# Altium PCB Condor2a.PcbDoc (part 1 of 2)
Units mm, origin at the board's own origin, x right, y up, seen from the top; angles counter-clockwise.
Board outline 206.68 x 159.72 mm, 4 copper layers (Top Layer, Signal Layer 2, Signal Layer 1, Bottom Layer), stack 1.643 mm thick; 82 components, 117 nets, 485 pads, 183 vias.
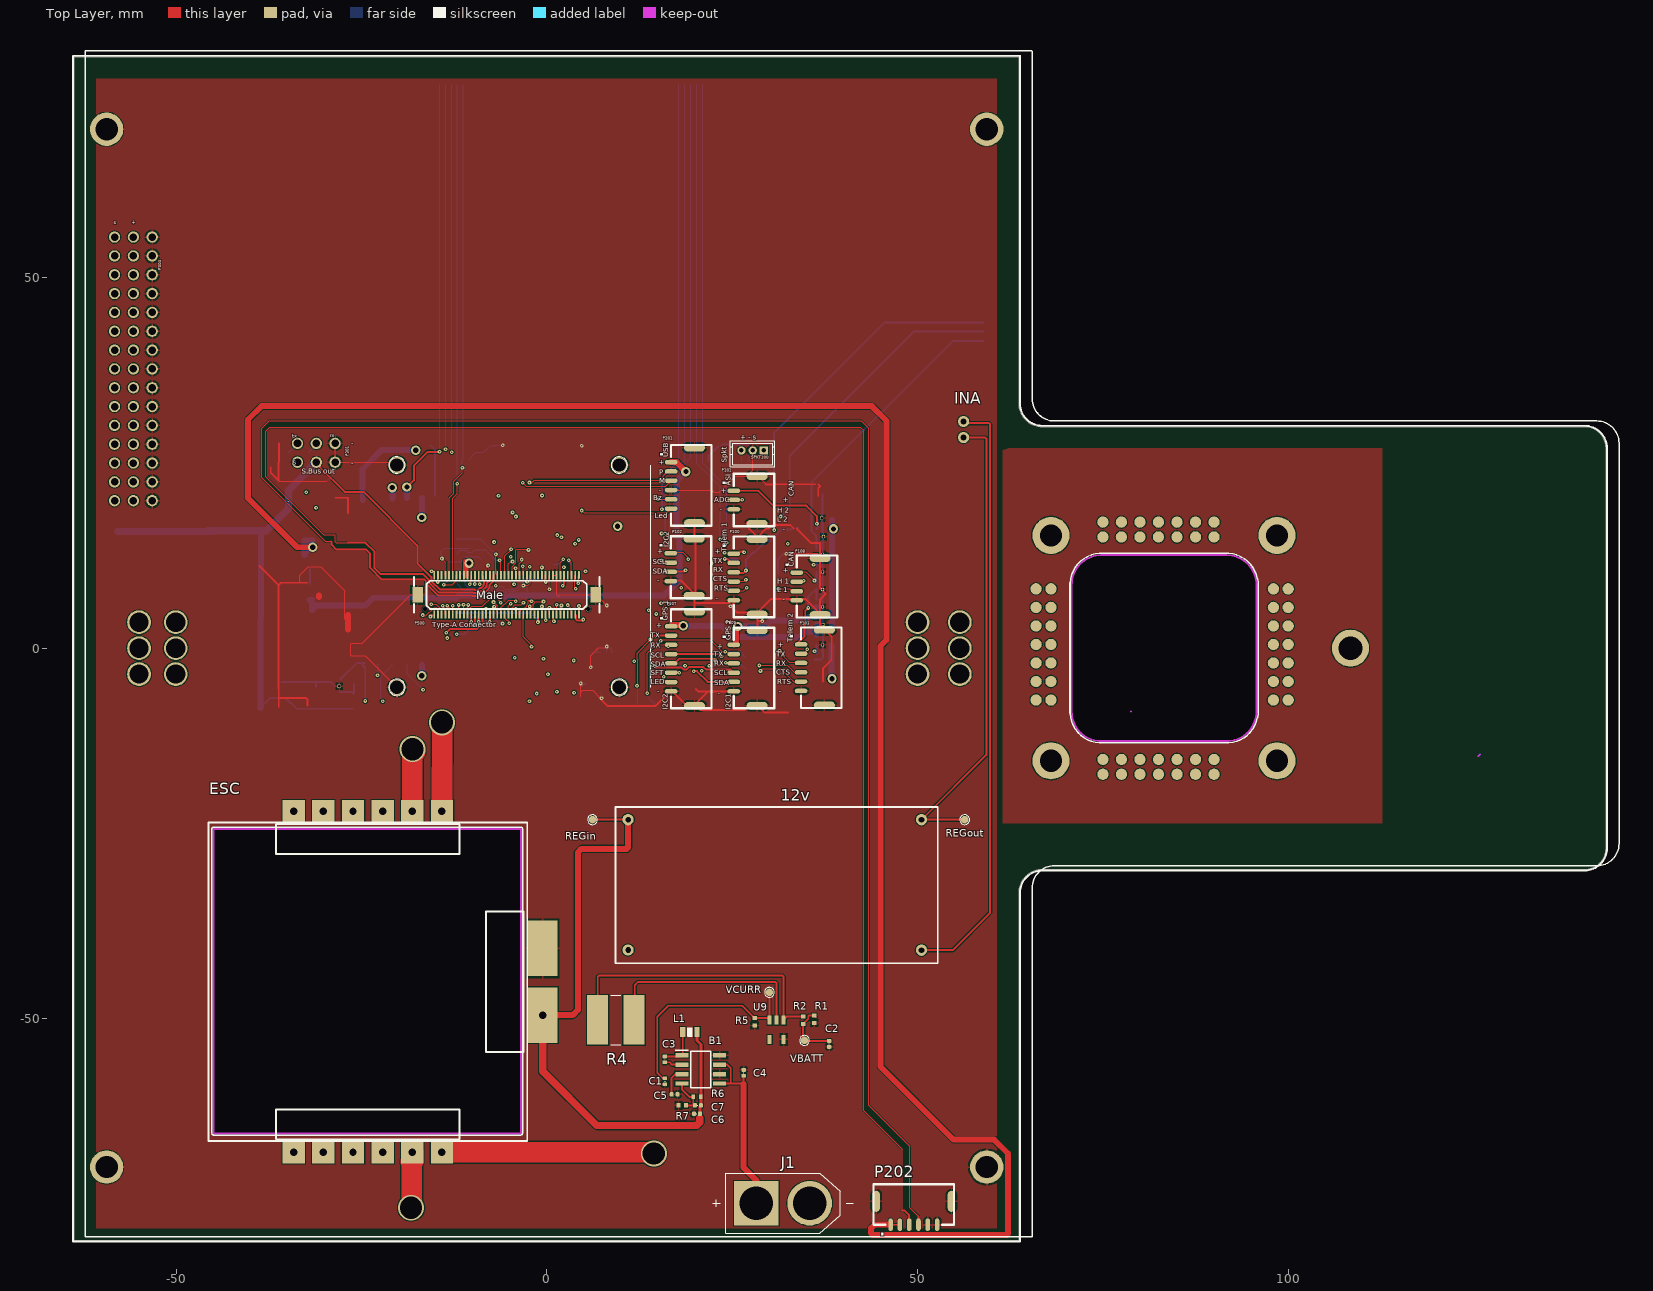
[diagram p0: Top Layer view]
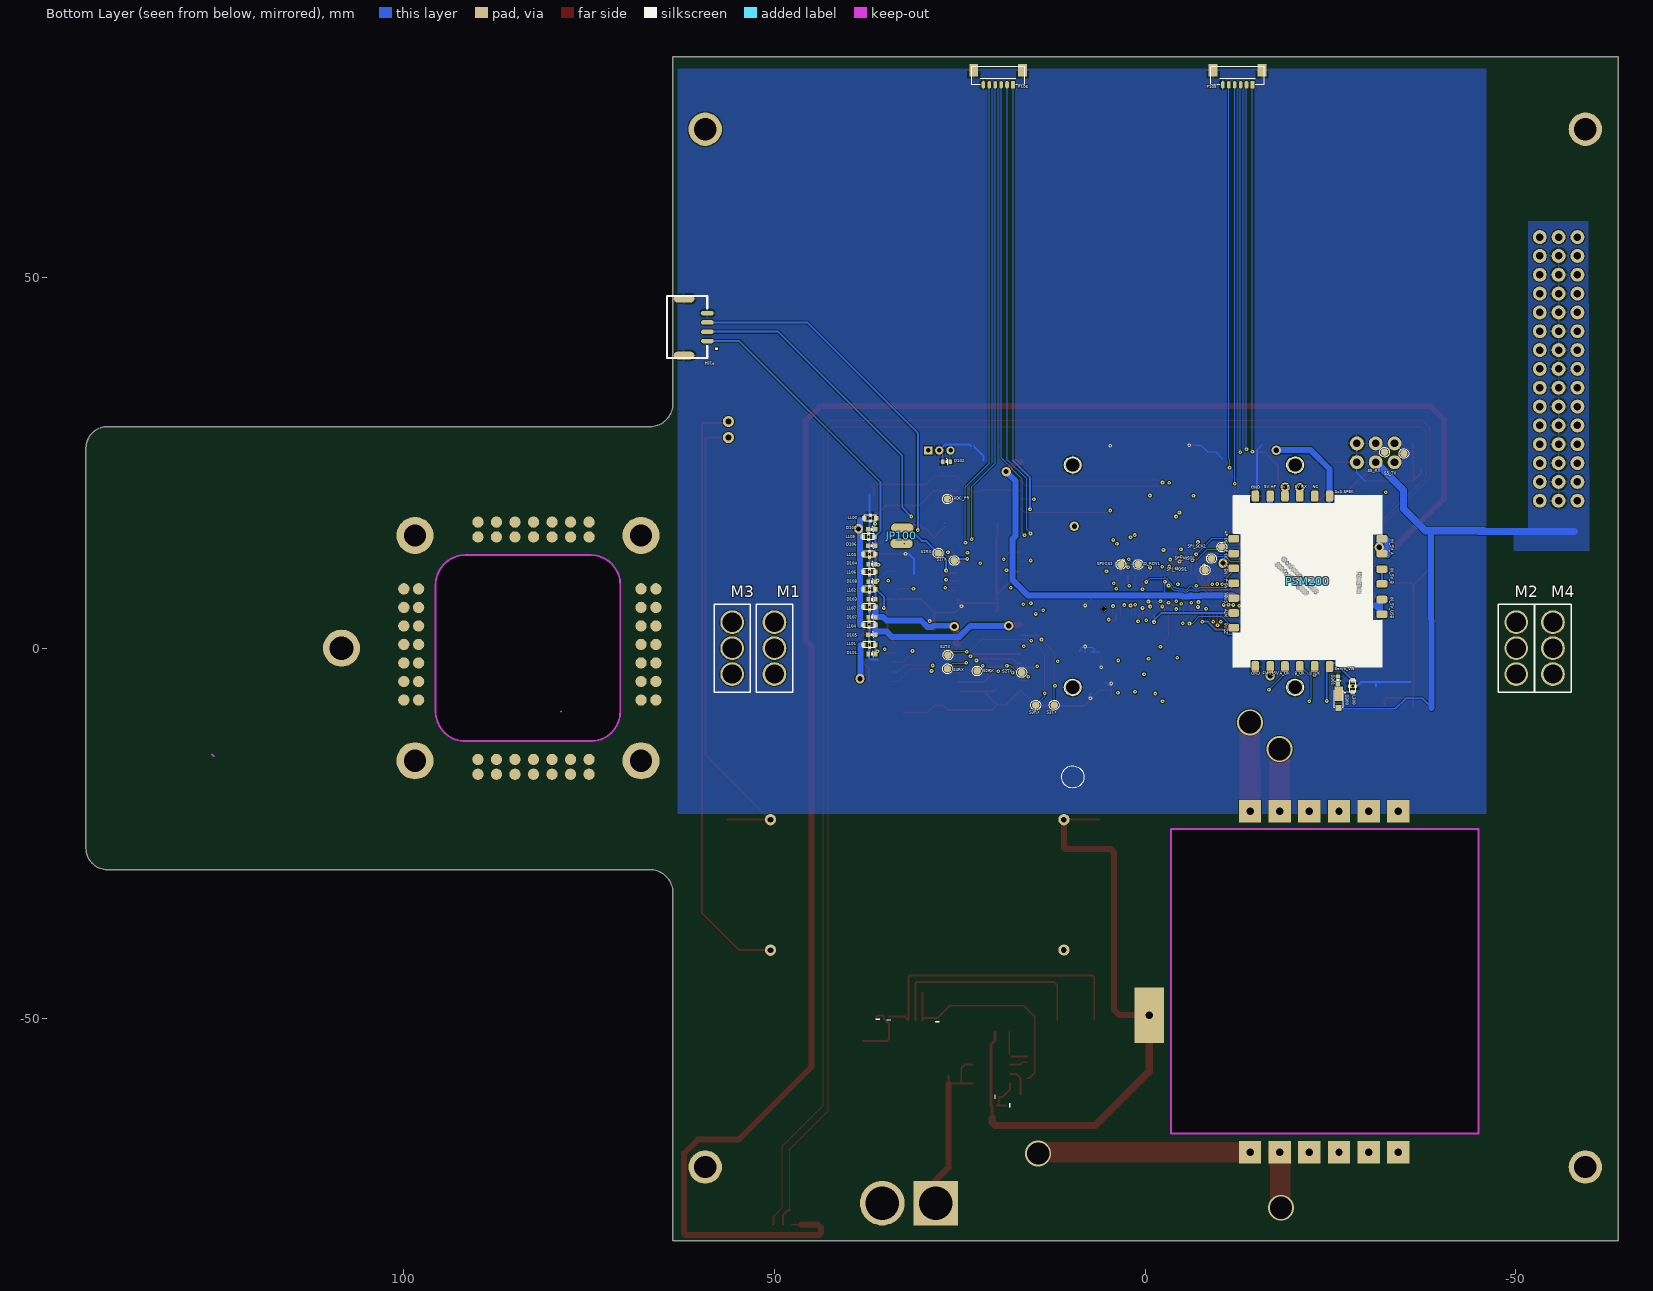
[diagram p1: Bottom Layer view, seen from below]
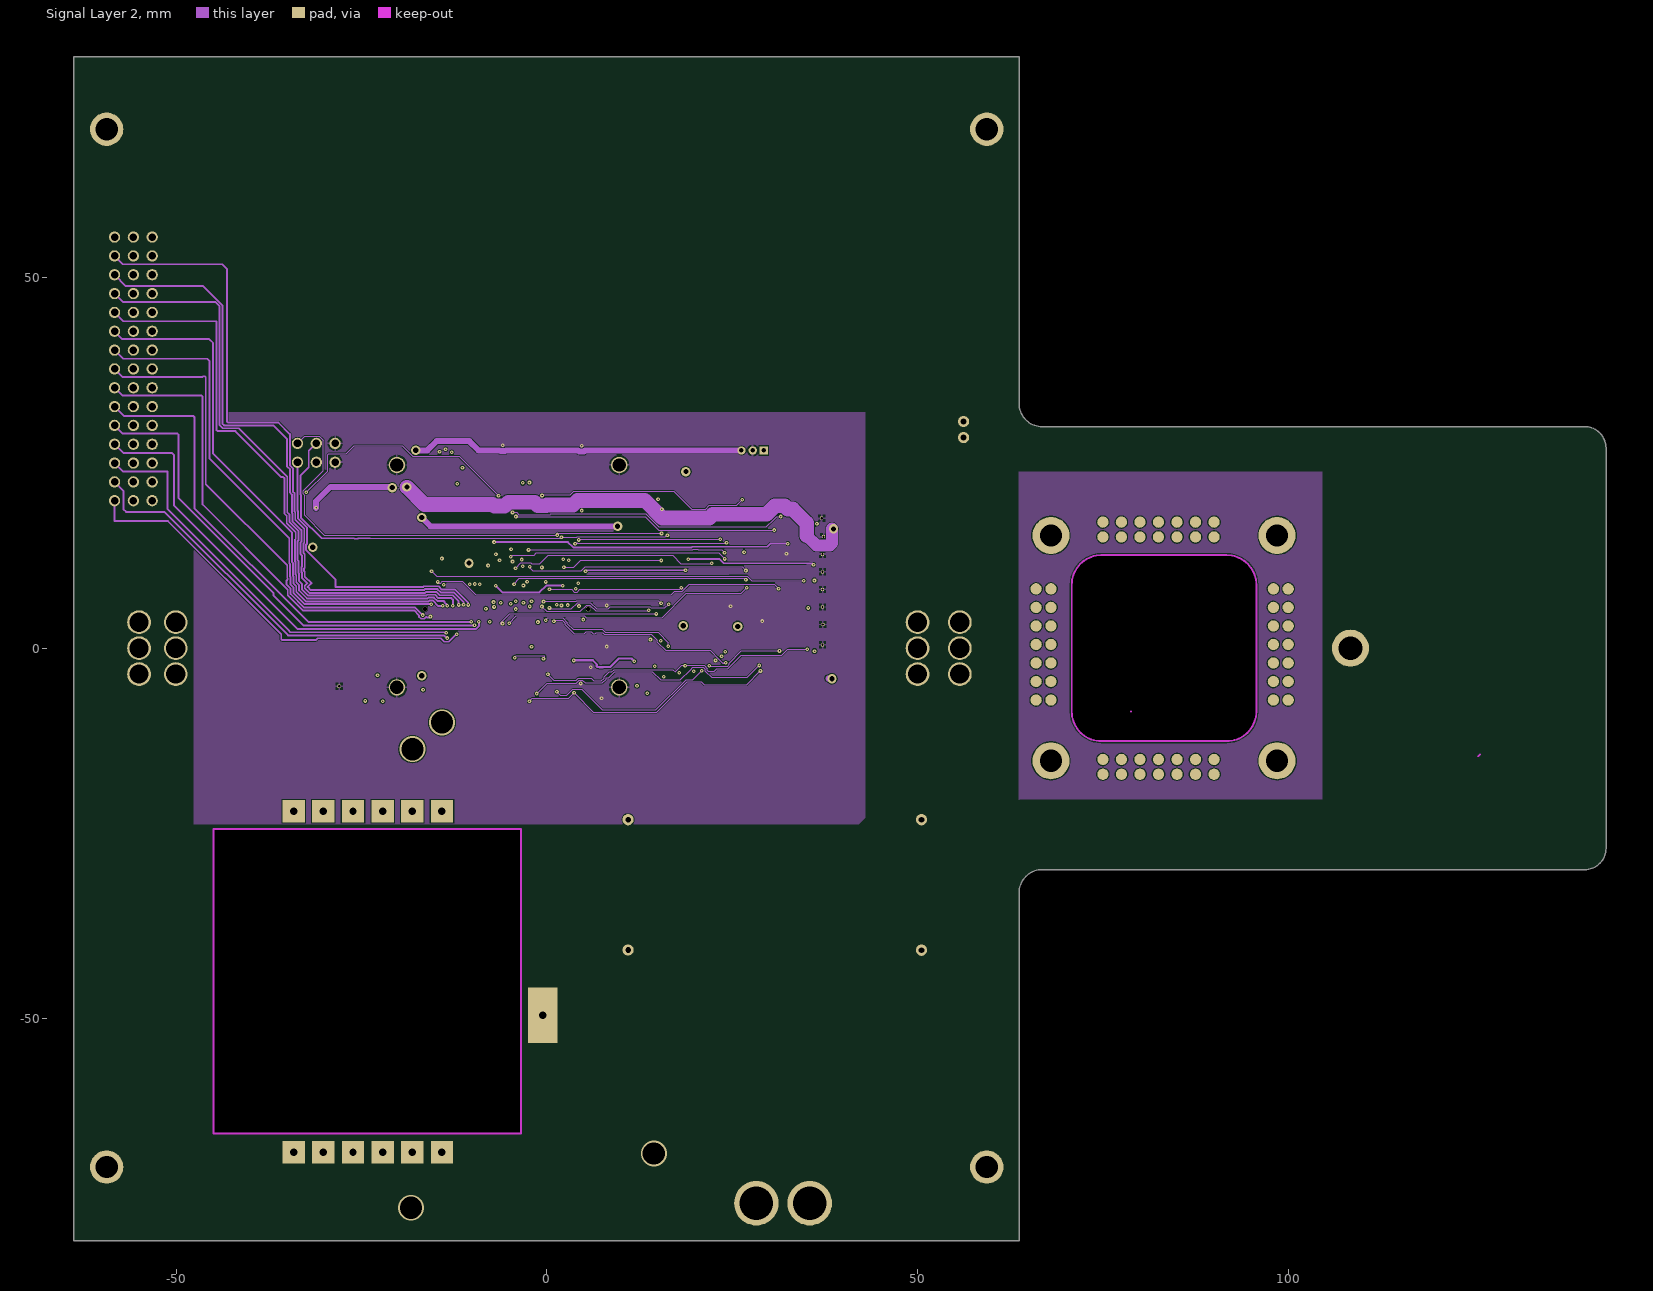
[diagram p2: Signal Layer 2]
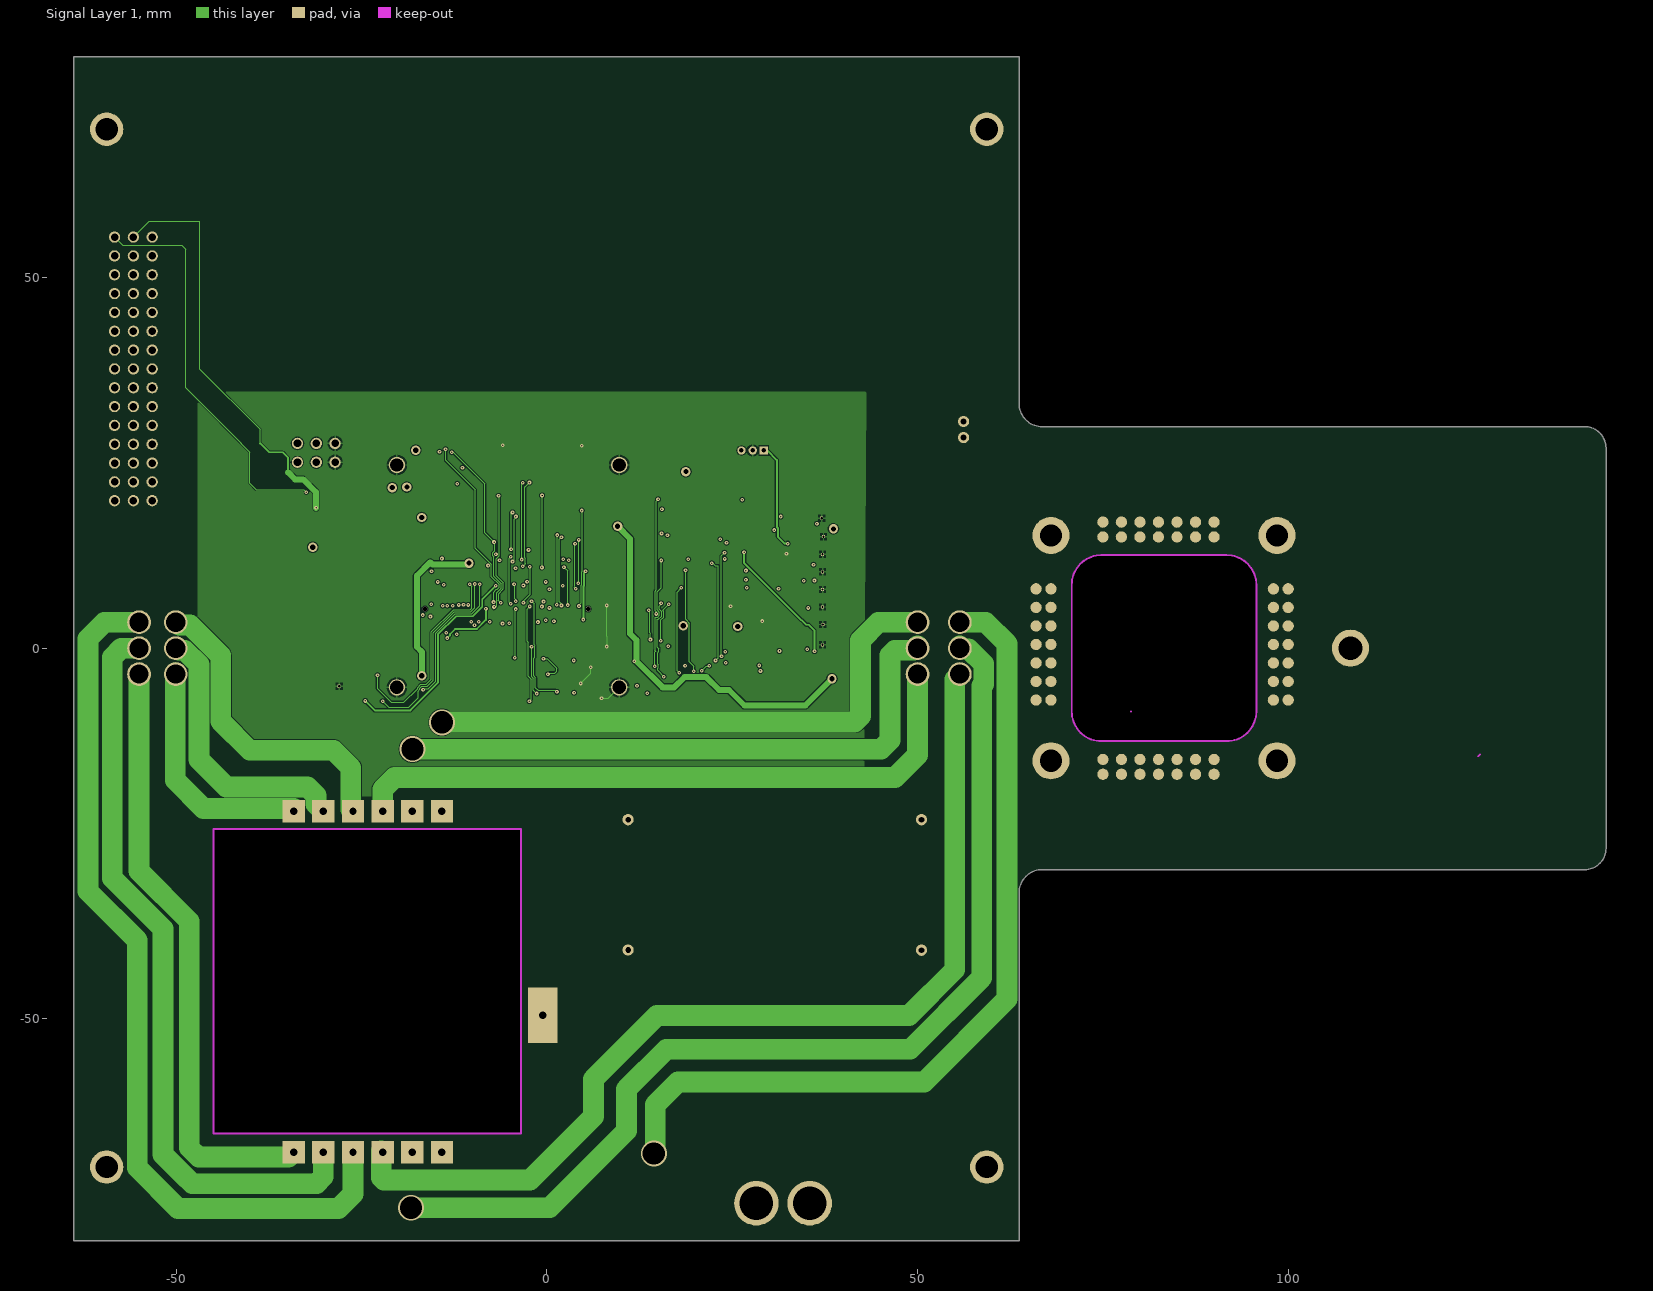
[diagram p3: Signal Layer 1]
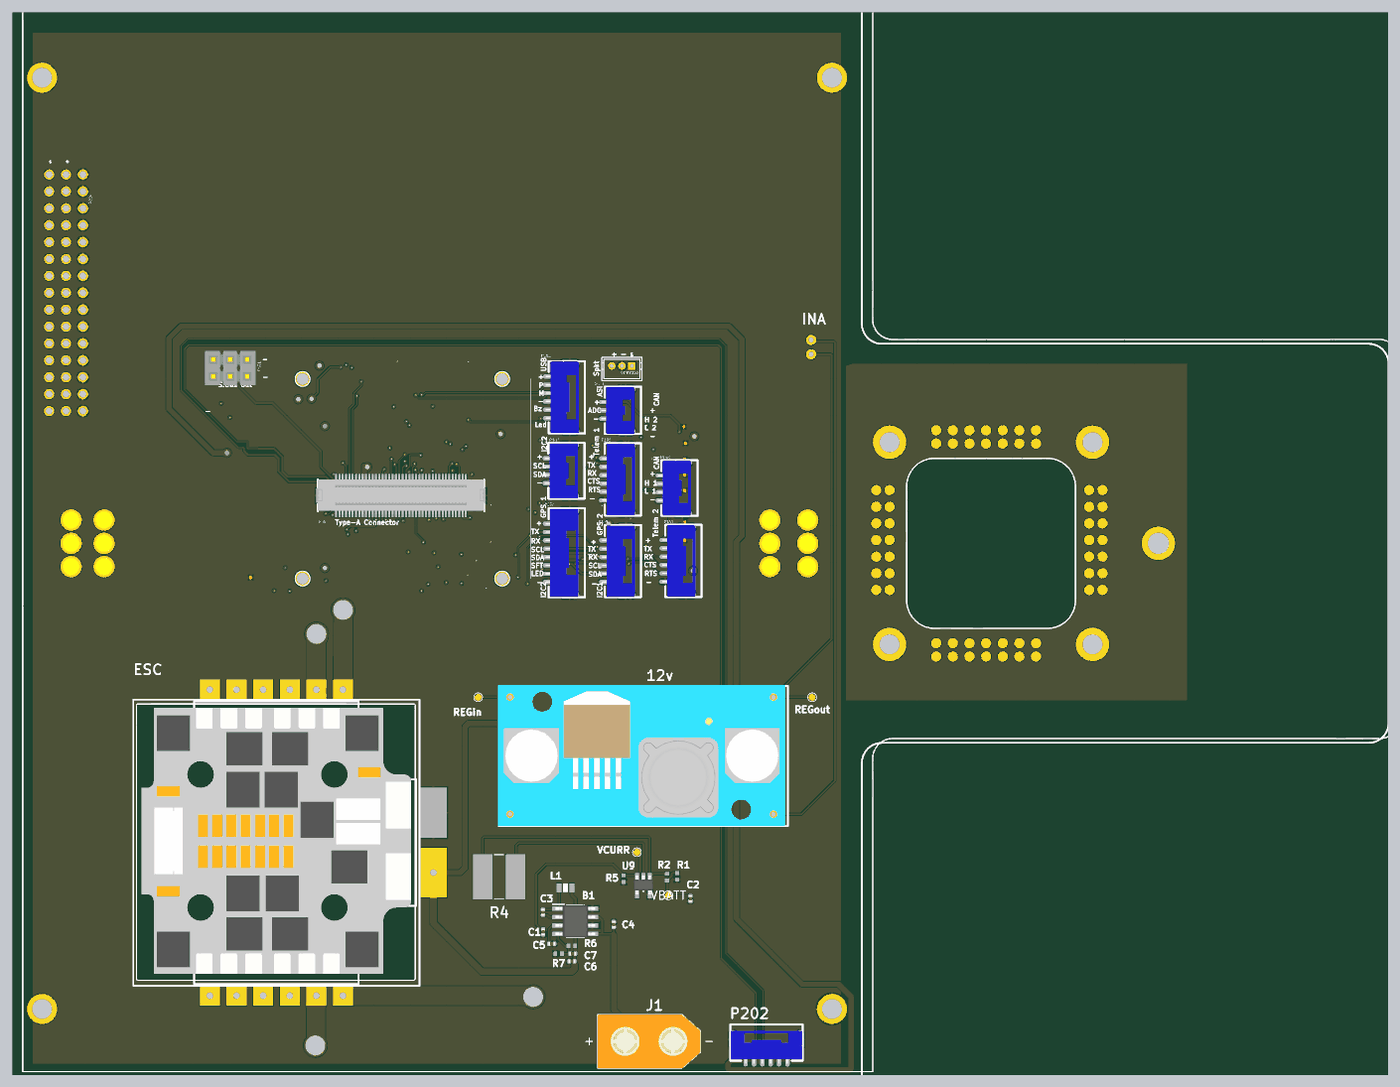
[diagram p5: 3D render of the assembled board from above, using the file's embedded part models]
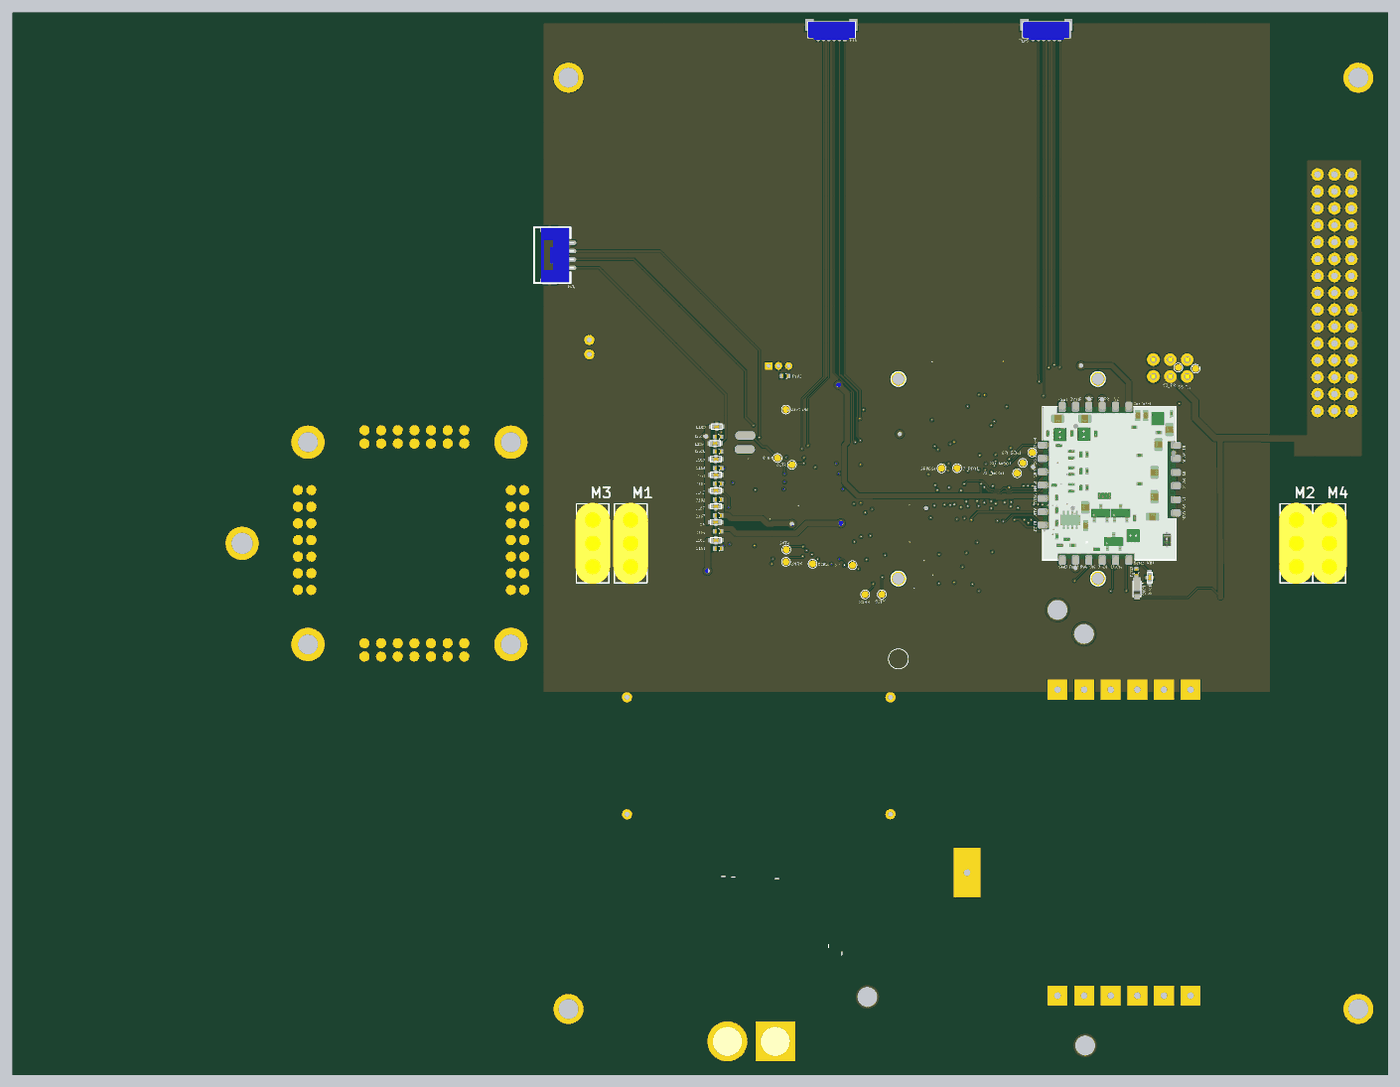
[diagram p6: 3D render of the assembled board from below, using the file's embedded part models]

## Layer stack, top to bottom
Top Solder: solder mask 0.0102, Solder Resist, Dk 3.5
Top Layer: signal copper 0.0356
Dielectric 1: core 0.5, FR-4, Dk 4.8
Signal Layer 2: signal copper 0.036
Dielectric 6: prepreg 0.5, Dk 4.2
Signal Layer 1: signal copper 0.036
Dielectric 4: core 0.5, Dk 4.2
Bottom Layer: signal copper 0.0356
Bottom Solder: solder mask 0.0102, Solder Resist, Dk 3.5

## Board outline
-63.802,-79.933 -63.802,79.783 63.703,79.783 63.703,33 63.703,32.999 ccw(c66.83,33) 66.829,29.873 66.83,29.873 140,29.873 cw(c140,27) 142.873,27 142.873,-27 cw(c140,-27) 140.007,-29.873 66.83,-29.873 66.829,-29.873 ccw(c66.83,-33) 63.703,-32.999 63.703,-33 63.703,-79.933
cut-out: 70.8,-8.55 70.8,8.55 cw(c74.8,8.55) 74.8,12.55 91.7,12.55 cw(c91.7,8.55) 95.7,8.55 95.7,-8.55 cw(c91.7,-8.55) 91.7,-12.55 91.717,-12.55 74.8,-12.55 cw(c74.8,-8.55)
cut-out: -44.958,-65.456 -44.958,-24.384 -3.505,-24.384 -3.505,-65.456

## Design rules (kind name [scope] priority, off if disabled: settings)
Clearance "Polygon clearance" [InPolygon vs InPolygon] p1: gap=0.3 ignorepadtopadclearanceinfootprint=FALSE except(0: Arc-Hole Track-Hole SMDPad-Hole THPad-Hole Via-Hole Fill-Hole Poly-Hole Region-Hole Text-Hole)
Clearance Clearance_1 [All] p2: gap=0.127 ignorepadtopadclearanceinfootprint=FALSE except(0: Arc-Hole Track-Hole SMDPad-Hole THPad-Hole Via-Hole Fill-Hole Poly-Hole Region-Hole Text-Hole)
Clearance mdViaVia [IsVia vs IsVia] p3: gap=0.127 ignorepadtopadclearanceinfootprint=FALSE except(0: Arc-Hole Track-Hole SMDPad-Hole THPad-Hole Via-Hole Fill-Hole Poly-Hole Region-Hole Text-Hole)
Clearance mdPadVia [IsPad vs IsVia] p4: gap=0.127 ignorepadtopadclearanceinfootprint=FALSE except(0: Arc-Hole Track-Hole SMDPad-Hole THPad-Hole Via-Hole Fill-Hole Poly-Hole Region-Hole Text-Hole)
Clearance mdPadPad [IsPad vs IsPad] p5: gap=0.127 ignorepadtopadclearanceinfootprint=FALSE except(0: Arc-Hole Track-Hole SMDPad-Hole THPad-Hole Via-Hole Fill-Hole Poly-Hole Region-Hole Text-Hole)
Clearance mdWireVia [(InLayerClass('Signal Layers') AND IsTrack) vs IsVia] p6: gap=0.127 ignorepadtopadclearanceinfootprint=FALSE except(0: Arc-Hole Track-Hole SMDPad-Hole THPad-Hole Via-Hole Fill-Hole Poly-Hole Region-Hole Text-Hole)
Clearance mdWirePad [(InLayerClass('Signal Layers') AND IsTrack) vs IsPad] p7: gap=0.127 ignorepadtopadclearanceinfootprint=FALSE except(0: Arc-Hole Track-Hole SMDPad-Hole THPad-Hole Via-Hole Fill-Hole Poly-Hole Region-Hole Text-Hole)
Clearance mdWireWire [(InLayerClass('Signal Layers') AND IsTrack) vs (InLayerClass('Signal Layers') AND IsTrack)] p8: gap=0.127 ignorepadtopadclearanceinfootprint=FALSE except(0: Arc-Hole Track-Hole SMDPad-Hole THPad-Hole Via-Hole Fill-Hole Poly-Hole Region-Hole Text-Hole)
ComponentClearance ComponentClearance_1 [(HasFootprint('ed') OR HasFootprint('CON-DF17-80M') OR HasFootprint('DF40-70_RECEPTICAL') OR HasFootprint('PSM') OR HasFootprint('PEM-SMTSO-M1.6-2-ET') OR HasFootprint('HEADER_1X06-FTDI') OR HasFootprint('3DR-WORDMARK-short'))] p1: gap=0 collisioncheckmode=3 verticalgap=0 showdistances=FALSE
ComponentClearance [All] p2 off: gap=0.076 collisioncheckmode=3 verticalgap=0 showdistances=FALSE
HoleSize [All] p1: absolutevalues=TRUE maxlimit=2540 minlimit=0.2 maxpercent=80.000 minpercent=20.000
HoleToHoleClearance [All] p1: gap=0.203 allowstackedmicrovias=TRUE
MinimumSolderMaskSliver [All] p1 off: minsoldermaskwidth=0.254
PasteMaskExpansion [All] p1: expansion=0.025
PolygonConnect PolygonConnect_1 [(InComponent('U2') OR InComponent('L6') OR HasFootprint('PEM-SMTSO-M1.6-2-ET') OR HasFootprint('MOUNT-HOLE1.8'))] p1: connectstyle=Direct reliefconductorwidth=0.254 reliefentries=4 polygonreliefangle="90 Angle" airgapwidth=0.254
PolygonConnect ThermalVias [IsVia] p2: connectstyle=Direct reliefconductorwidth=0.254 reliefentries=4 polygonreliefangle="90 Angle" airgapwidth=0.254
PolygonConnect [All] p3: connectstyle=Relief reliefconductorwidth=0.254 reliefentries=4 polygonreliefangle="90 Angle" airgapwidth=0.254
RoutingVias [All] p1: holewidth=0.2 width=0.5 viastyle="Through Hole" minholewidth=0.2 minwidth=0.5 maxholewidth=0.711 maxwidth=1.27
SilkToBoardRegionClearance [All] p1 off:
SilkToSilkClearance [All] p1 off: silktosilkclearance=0.254
SilkToSolderMaskClearance [IsPad] p1 off: minsilkscreentomaskgap=0.254 clearancetoexposedcopper=TRUE
SolderMaskExpansion [All] p1: expansion=0.025 istentingtop=FALSE
Width [All] p1: maxlimit=4 minlimit=0.15 preferedwidth=0.254 midlayer1_maxwidth=2 bottomlayer_maxwidth=2 minimp=50.000000 maximp=50.000000 favimp=50.000000
22 further rules are at their usual default settings.

## Classes and differential pairs
component class Condor2a_Power_Module: B1 C3 C4 C5 C6 C7 L1 R6 R7
component class Condor2a_Herlink: 12v INA REGin REGout
component class Condor2a_Current_Sensor: C1 C2 R1 R2 R4 R5 U9
component class Condor2a_ESC: ESC M1 M2 M3 M4
component class Condor2a_Plugs_REV_C: 3 D100 D101 D102 D103 D104 D105 D106 D107 D108 JP100 L100 L101 L102 L103 L104 L105 L106 L107 P100 P101 P102 P103 P104 P105 P106 P107 P108 P109 SPKT100
component class Condor2a_Power_REV_C: J1 P201 P202 PSM200
component class Condor2a_Servo_REV_C: D300 D301 L300 P301 P304
component class Condor2a_tp_REV_C: ADC_PR D_RDY1 S1RX S1TX S2RX S2TX S3RX S3TX S4RX S4TX S5_RX S5_TX SPI!CS1 SPI_MISO1 SPI_MOSI1 SPI_SCK1 VBATT VCURR
component class Condor2a_Pin_REV_C: FIDUCIALS1 P500

## Components (designator, comment, footprint, x,y, rotation, side; value= is the part's Value field where it differs from the comment)
12v "LM2596" "LM2596 DC-DC HW-411" 9.036,-42.639 r0 top
ADC_PR "PAD.04" PAD.04X.04 26.658,20.12 r0 bottom
B1 "LMR23625CDDAR" SOT127P600X170-8N 20.755,-56.82 r0 top
C1 "0u1" 0402-CAP 15.929,-58.419 r90 top
C2 "0u1" 0402-CAP 38.071,-53.389 r90 top
C3 "0u1" 0402-CAP 15.904,-55.469 r270 top
C4 "0u1" 0402-CAP 26.54,-57.297 r90 top
C5 "0u1" 0402-CAP 17.228,-60.198 r0 top
C6 "0u1" 0402-CAP 20.248,-62.828 r180 top
C7 "0u1" 0402-CAP 20.375,-61.684 r180 top
D100 "DIODE-TVS" 0402-TVS 36.858,16.02 r0 bottom
D101 "DIODE-TVS" 0402-TVS 36.832,-0.789 r0 bottom
D102 "DIODE-TVS" 0402-TVS 26.781,25.144 r0 bottom
D103 "DIODE-TVS" 0402-TVS 36.832,6.566 r0 bottom
D104 "DIODE-TVS" 0402-TVS 36.832,11.306 r0 bottom
D105 "DIODE-TVS" 0402-TVS 36.858,1.82 r0 bottom
D106 "DIODE-TVS" 0402-TVS 36.858,13.82 r0 bottom
D107 "DIODE-TVS" 0402-TVS 36.832,4.197 r0 bottom
D108 "DIODE-TVS" 0402-TVS 36.832,8.936 r0 bottom
D300 "MSS1P4-M3" MICROSMP -26.105,-7.4 r270 bottom
D301 "DIODE-TVS" 0402-TVS -26.004,-4.327 r90 bottom
D_RDY1 "PAD.04" PAD.04X.04 0.93,11.294 r180 bottom
ESC "ESC Foxeer Reaptor F4" "FOXEeR REAPER" -24.155,-45 r90 top